# Altium PCB Slave.PcbDoc (part 3 of 12)
Units mm, origin at the board's own origin, x right, y up, seen from the top; angles counter-clockwise.
Board outline 380 x 63 mm, 4 copper layers (Top Copper, Signal Layer 1, Signal Layer 2, Bottom Copper), stack 1.586 mm thick; 265 components, 193 nets, 745 pads, 28205 vias.
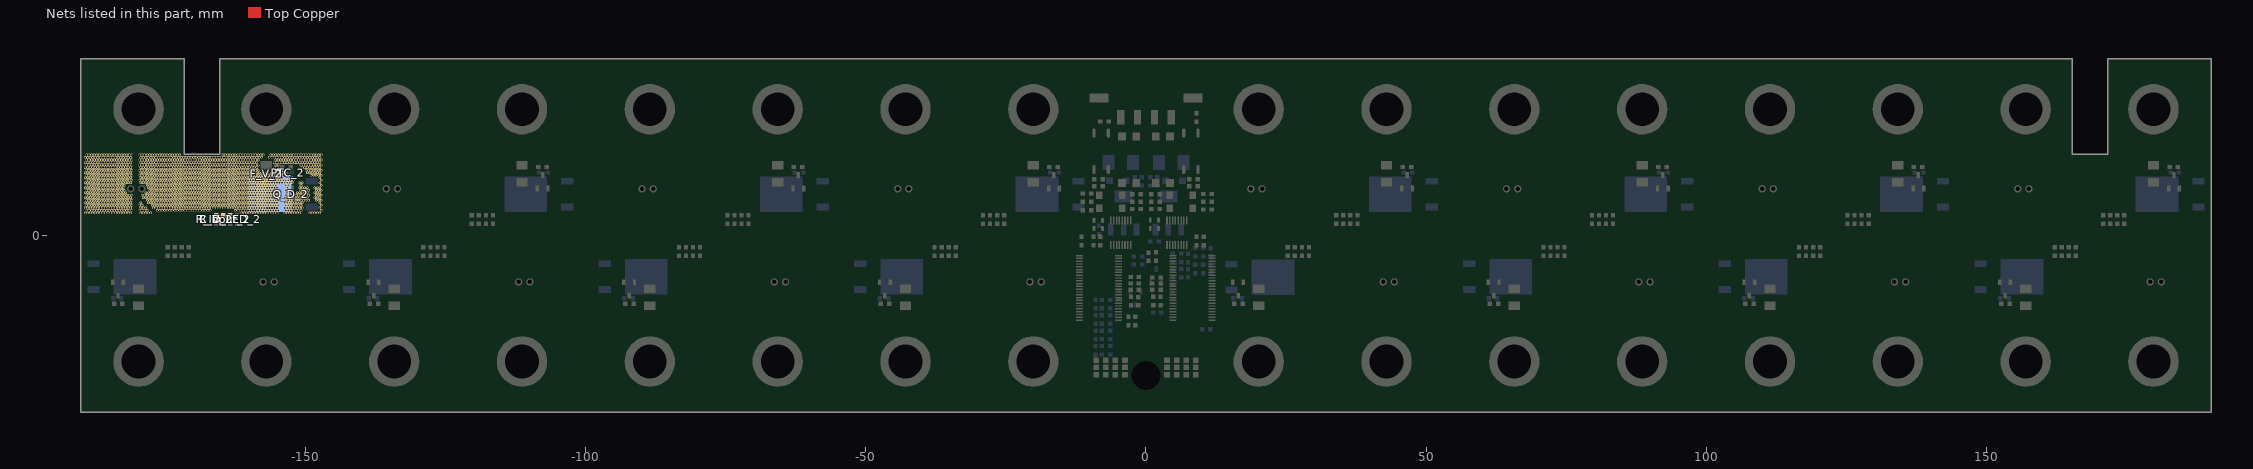
[diagram p5: the nets of this part, all layers, seen from the top]

## Via types
v1: diameter 0.45, hole 0.297, Top Copper to Bottom Copper, tented both sides, 27372 vias
v2: diameter 1, hole 0.7, Top Copper to Bottom Copper, 576 vias
v3: diameter 0.45, hole 0.2, Top Copper to Bottom Copper, 257 vias

## Nets (pads, with @x,y where several pads share a name; then routed paths per layer and width w, separated by ;. In a path a pad name is that pad's centre, name@x,y a point inside that pad or via, vN(x,y) a via of type N, cw(c..) or ccw(c..) an arc to the next point about the centre after c; other vN are vias at no path point) (continued)
F_2: C_V_2.2 F_V_2.2 PTC_2.2 Q_D_2.2 R_D_LED_2.2 R_Input_2.1 | length 3.9
  Top Copper w0.254: C_V_2.2@-165.85,3.6 R_Input_2.1@-164.6,3.6 R_D_LED_2.2@-163.35,3.6
  Top Copper w0.305: v1@-156.875,8.1 F_V_2.2@-156.875,9.48
  other v1: -189.2,4 -188.75,4 -188.3,4 -187.85,4 -187.4,4 -186.95,4 -186.5,4 -186.05,4 -185.6,4 -185.15,4 -184.7,4 -184.25,4 -183.8,4 -183.35,4 -182.9,4 -182.45,4 -182,4 -181.55,4 -181.1,4 -179.3,4 -178.85,4 -178.4,4 -177.95,4 -177.5,4 -161.3,4 -160.85,4 -160.4,4 -159.95,4 -159.5,4 -159.05,4 -158.6,4 -158.15,4 -157.7,4 -157.25,4 -156.8,4 -156.35,4 -155.9,4 -155.45,4 -155,4 -153.65,4 -153.2,4 -152.75,4 -152.3,4 -151.85,4 -151.4,4 -150.95,4 -149.15,4 -148.7,4 -148.25,4 -147.8,4 -147.35,4 -188.975,4.45 -188.525,4.45 -188.075,4.45 -187.625,4.45 -187.175,4.45 -186.725,4.45 -186.275,4.45 -185.825,4.45 -185.375,4.45 -184.925,4.45 -184.475,4.45 -184.025,4.45 -183.575,4.45 -183.125,4.45 -182.675,4.45 -182.225,4.45 -181.775,4.45 -181.325,4.45 -180.875,4.45 -179.525,4.45 -179.075,4.45 -178.625,4.45 -178.175,4.45 -176.375,4.45 -175.925,4.45 -175.475,4.45 -175.025,4.45 -174.575,4.45 -174.125,4.45 -173.675,4.45 -173.225,4.45 -172.775,4.45 -172.325,4.45 -171.875,4.45 -171.425,4.45 -170.975,4.45 -170.525,4.45 -170.075,4.45 -169.625,4.45 -169.175,4.45 -168.725,4.45 -168.275,4.45 -167.825,4.45 -167.375,4.45 -166.925,4.45 -162.425,4.45 -161.975,4.45 -161.525,4.45 -161.075,4.45 -160.625,4.45 -160.175,4.45 -159.725,4.45 -159.275,4.45 -158.825,4.45 -158.375,4.45 -157.925,4.45 -157.475,4.45 -157.025,4.45 -156.575,4.45 -156.125,4.45 -155.675,4.45 -155.225,4.45 -154.775,4.45 -153.425,4.45 -152.975,4.45 -152.525,4.45 -152.075,4.45 -151.625,4.45 -151.175,4.45 -150.725,4.45 -147.125,4.45 -189.2,4.9 -188.75,4.9 -188.3,4.9 -187.85,4.9 -187.4,4.9 -186.95,4.9 -186.5,4.9 -186.05,4.9 -185.6,4.9 -185.15,4.9 -184.7,4.9 -184.25,4.9 -183.8,4.9 -183.35,4.9 -182.9,4.9 -182.45,4.9 -182,4.9 -181.55,4.9 -181.1,4.9 -179.3,4.9 -178.85,4.9 -178.4,4.9 -177.05,4.9 -176.6,4.9 -176.15,4.9 -175.7,4.9 -175.25,4.9 -174.8,4.9 -174.35,4.9 -173.9,4.9 -173.45,4.9 -173,4.9 -172.55,4.9 -172.1,4.9 -171.65,4.9 -171.2,4.9 -170.75,4.9 -170.3,4.9 -169.85,4.9 -169.4,4.9 -168.95,4.9 -168.5,4.9 -168.05,4.9 -167.6,4.9 -167.15,4.9 -166.7,4.9 -166.25,4.9 -165.8,4.9 -165.35,4.9 -164.9,4.9 -164.45,4.9 -164,4.9 -163.55,4.9 -163.1,4.9 -162.65,4.9 -162.2,4.9 -161.75,4.9 -161.3,4.9 -160.85,4.9 -160.4,4.9 -159.95,4.9 -159.5,4.9 -159.05,4.9 -158.6,4.9 -158.15,4.9 -157.7,4.9 -157.25,4.9 -156.8,4.9 -156.35,4.9 -155.9,4.9 -155.45,4.9 -155,4.9 -153.65,4.9 -153.2,4.9 -152.75,4.9 -152.3,4.9 -151.85,4.9 -151.4,4.9 -150.95,4.9 -150.5,4.9 -147.35,4.9 -188.975,5.35 -188.525,5.35 -188.075,5.35 -187.625,5.35 -187.175,5.35 -186.725,5.35 -186.275,5.35 -185.825,5.35 -185.375,5.35 -184.925,5.35 -184.475,5.35 -184.025,5.35 -183.575,5.35 -183.125,5.35 -182.675,5.35 -182.225,5.35 -181.775,5.35 -181.325,5.35 -180.875,5.35 -179.525,5.35 -179.075,5.35 -177.275,5.35 -176.825,5.35 -176.375,5.35 -175.925,5.35 -175.475,5.35 -175.025,5.35 -174.575,5.35 -174.125,5.35 -173.675,5.35 -173.225,5.35 -172.775,5.35 -172.325,5.35 -171.875,5.35 -171.425,5.35 -170.975,5.35 -170.525,5.35 -170.075,5.35 -169.625,5.35 -169.175,5.35 -168.725,5.35 -168.275,5.35 -167.825,5.35 -167.375,5.35 -166.925,5.35 -166.475,5.35 -166.025,5.35 -165.575,5.35 -165.125,5.35 -164.675,5.35 -164.225,5.35 -163.775,5.35 -163.325,5.35 -162.875,5.35 -162.425,5.35 -161.975,5.35 -161.525,5.35 -161.075,5.35 -160.625,5.35 -160.175,5.35 -159.725,5.35 -159.275,5.35 -158.825,5.35 -158.375,5.35 -157.925,5.35 -157.475,5.35 -157.025,5.35 -156.575,5.35 -156.125,5.35 -155.675,5.35 -155.225,5.35 -154.775,5.35 -153.425,5.35 -152.975,5.35 -152.525,5.35 -152.075,5.35 -151.625,5.35 -151.175,5.35 -150.725,5.35 -147.125,5.35 -189.2,5.8 -188.75,5.8 -188.3,5.8 -187.85,5.8 -187.4,5.8 -186.95,5.8 -186.5,5.8 -186.05,5.8 -185.6,5.8 -185.15,5.8 -184.7,5.8 -184.25,5.8 -183.8,5.8 -183.35,5.8 -182.9,5.8 -182.45,5.8 -182,5.8 -181.55,5.8 -181.1,5.8 -179.3,5.8 -177.95,5.8 -177.5,5.8 -177.05,5.8 -176.6,5.8 -176.15,5.8 -175.7,5.8 -175.25,5.8 -174.8,5.8 -174.35,5.8 -173.9,5.8 -173.45,5.8 -173,5.8 -172.55,5.8 -172.1,5.8 -171.65,5.8 -171.2,5.8 -170.75,5.8 -170.3,5.8 -169.85,5.8 -169.4,5.8 -168.95,5.8 -168.5,5.8 -168.05,5.8 -167.6,5.8 -167.15,5.8 -166.7,5.8 -166.25,5.8 -165.8,5.8 -165.35,5.8 -164.9,5.8 -164.45,5.8 -164,5.8 -163.55,5.8 -163.1,5.8 -162.65,5.8 -162.2,5.8 -161.75,5.8 -161.3,5.8 -160.85,5.8 -160.4,5.8 -159.95,5.8 -159.5,5.8 -159.05,5.8 -158.6,5.8 -158.15,5.8 -157.7,5.8 -157.25,5.8 -156.8,5.8 -156.35,5.8 -155.9,5.8 -155.45,5.8 -155,5.8 -153.65,5.8 -153.2,5.8 -152.75,5.8 -152.3,5.8 -151.85,5.8 -151.4,5.8 -150.95,5.8 -150.5,5.8 -147.35,5.8 -188.975,6.25 -188.525,6.25 -188.075,6.25 -187.625,6.25 -187.175,6.25 -186.725,6.25 -186.275,6.25 -185.825,6.25 -185.375,6.25 -184.925,6.25 -184.475,6.25 -184.025,6.25 -183.575,6.25 -183.125,6.25 -182.675,6.25 -182.225,6.25 -181.775,6.25 -181.325,6.25 -180.875,6.25 -178.175,6.25 -177.725,6.25 -177.275,6.25 -176.825,6.25 -176.375,6.25 -175.925,6.25 -175.475,6.25 -175.025,6.25 -174.575,6.25 -174.125,6.25 -173.675,6.25 -173.225,6.25 -172.775,6.25 -172.325,6.25 -171.875,6.25 -171.425,6.25 -170.975,6.25 -170.525,6.25 -170.075,6.25 -169.625,6.25 -169.175,6.25 -168.725,6.25 -168.275,6.25 -167.825,6.25 -167.375,6.25 -166.925,6.25 -166.475,6.25 -166.025,6.25 -165.575,6.25 -165.125,6.25 -164.675,6.25 -164.225,6.25 -163.775,6.25 -163.325,6.25 -162.875,6.25 -162.425,6.25 -161.975,6.25 -161.525,6.25 -161.075,6.25 -160.625,6.25 -160.175,6.25 -159.725,6.25 -159.275,6.25 -158.825,6.25 -158.375,6.25 -157.925,6.25 -157.475,6.25 -157.025,6.25 -156.575,6.25 -156.125,6.25 -155.675,6.25 -155.225,6.25 -154.775,6.25 -153.425,6.25 -152.975,6.25 -152.525,6.25 -152.075,6.25 -151.625,6.25 -151.175,6.25 -150.725,6.25 -150.275,6.25 -149.825,6.25 -149.375,6.25 -148.025,6.25 -147.575,6.25 -147.125,6.25 -189.2,6.7 -188.75,6.7 -188.3,6.7 -187.85,6.7 -187.4,6.7 -186.95,6.7 -186.5,6.7 -186.05,6.7 -185.6,6.7 -185.15,6.7 -184.7,6.7 -184.25,6.7 -183.8,6.7 -183.35,6.7 -182.9,6.7 -182.45,6.7 -182,6.7 -181.55,6.7 -181.1,6.7 -178.85,6.7 -178.4,6.7 -177.95,6.7 -177.5,6.7 -177.05,6.7 -176.6,6.7 -176.15,6.7 -175.7,6.7 -175.25,6.7 -174.8,6.7 -174.35,6.7 -173.9,6.7 -173.45,6.7 -173,6.7 -172.55,6.7 -172.1,6.7 -171.65,6.7 -171.2,6.7 -170.75,6.7 -170.3,6.7 -169.85,6.7 -169.4,6.7 -168.95,6.7 -168.5,6.7 -168.05,6.7 -167.6,6.7 -167.15,6.7 -166.7,6.7 -166.25,6.7 -165.8,6.7 -165.35,6.7 -164.9,6.7 -164.45,6.7 -164,6.7 -163.55,6.7 -163.1,6.7 -162.65,6.7 -162.2,6.7 -161.75,6.7 -161.3,6.7 -160.85,6.7 -160.4,6.7 -159.95,6.7 -159.5,6.7 -159.05,6.7 -158.6,6.7 -158.15,6.7 -157.7,6.7 -157.25,6.7 -156.8,6.7 -156.35,6.7 -155.9,6.7 -155.45,6.7 -155,6.7 -153.65,6.7 -153.2,6.7 -152.75,6.7 -152.3,6.7 -151.85,6.7 -151.4,6.7 -150.95,6.7 -150.5,6.7 -150.05,6.7 -149.6,6.7 -148.25,6.7 -147.8,6.7 -147.35,6.7 -188.975,7.15 -188.525,7.15 -188.075,7.15 -187.625,7.15 -187.175,7.15 -186.725,7.15 -186.275,7.15 -185.825,7.15 -185.375,7.15 -184.925,7.15 -184.475,7.15 -184.025,7.15 -183.575,7.15 -183.125,7.15 -182.675,7.15 -182.225,7.15 -181.775,7.15 -181.325,7.15 -180.875,7.15 -179.075,7.15 -178.625,7.15 -178.175,7.15 -177.725,7.15 -177.275,7.15 -176.825,7.15 -176.375,7.15 -175.925,7.15 -175.475,7.15 -175.025,7.15 -174.575,7.15 -174.125,7.15 -173.675,7.15 -173.225,7.15 -172.775,7.15 -172.325,7.15 -171.875,7.15 -171.425,7.15 -170.975,7.15 -170.525,7.15 -170.075,7.15 -169.625,7.15 -169.175,7.15 -168.725,7.15 -168.275,7.15 -167.825,7.15 -167.375,7.15 -166.925,7.15 -166.475,7.15 -166.025,7.15 -165.575,7.15 -165.125,7.15 -164.675,7.15 -164.225,7.15 -163.775,7.15 -163.325,7.15 -162.875,7.15 -162.425,7.15 -161.975,7.15 -161.525,7.15 -161.075,7.15 -160.625,7.15 -160.175,7.15 -159.725,7.15 -159.275,7.15 -158.825,7.15 -158.375,7.15 -157.925,7.15 -157.475,7.15 -157.025,7.15 -156.575,7.15 -156.125,7.15 -155.675,7.15 -155.225,7.15 -154.775,7.15 -153.425,7.15 -152.975,7.15 -152.525,7.15 -152.075,7.15 -151.625,7.15 -151.175,7.15 -150.725,7.15 -150.275,7.15 -149.825,7.15 -149.375,7.15 -148.025,7.15 -147.575,7.15 -147.125,7.15 -189.2,7.6 -188.75,7.6 -188.3,7.6 -187.85,7.6 -187.4,7.6 -186.95,7.6 -186.5,7.6 -186.05,7.6 -185.6,7.6 -185.15,7.6 -184.7,7.6 -184.25,7.6 -183.8,7.6 -183.35,7.6 -182.9,7.6 -182.45,7.6 -182,7.6 -178.4,7.6 -177.95,7.6 -177.5,7.6 -177.05,7.6 -176.6,7.6 -176.15,7.6 -175.7,7.6 -175.25,7.6 -174.8,7.6 -174.35,7.6 -173.9,7.6 -173.45,7.6 -173,7.6 -172.55,7.6 -172.1,7.6 -171.65,7.6 -171.2,7.6 -170.75,7.6 -170.3,7.6 -169.85,7.6 -169.4,7.6 -168.95,7.6 -168.5,7.6 -168.05,7.6 -167.6,7.6 -167.15,7.6 -166.7,7.6 -166.25,7.6 -165.8,7.6 -165.35,7.6 -164.9,7.6 -164.45,7.6 -164,7.6 -163.55,7.6 -163.1,7.6 -162.65,7.6 -162.2,7.6 -161.75,7.6 -161.3,7.6 -160.85,7.6 -160.4,7.6 -159.95,7.6 -159.5,7.6 -159.05,7.6 -158.6,7.6 -158.15,7.6 -157.7,7.6 -157.25,7.6 -156.8,7.6 -156.35,7.6 -155.9,7.6 -155.45,7.6 -155,7.6 -153.2,7.6 -151.4,7.6 -150.95,7.6 -150.5,7.6 -150.05,7.6 -149.6,7.6 -148.25,7.6 -147.8,7.6 -147.35,7.6 -188.975,8.05 -188.525,8.05 -188.075,8.05 -187.625,8.05 -187.175,8.05 -186.725,8.05 -186.275,8.05 -185.825,8.05 -185.375,8.05 -184.925,8.05 -184.475,8.05 -184.025,8.05 -183.575,8.05 -183.125,8.05 -182.675,8.05 -182.225,8.05 -177.725,8.05 -177.275,8.05 -176.825,8.05 -176.375,8.05 -175.925,8.05 -175.475,8.05 -175.025,8.05 -174.575,8.05 -174.125,8.05 -173.675,8.05 -173.225,8.05 -172.775,8.05 -172.325,8.05 -171.875,8.05 -171.425,8.05 -170.975,8.05 -170.525,8.05 -170.075,8.05 -169.625,8.05 -169.175,8.05 -168.725,8.05 -168.275,8.05 -167.825,8.05 -167.375,8.05 -166.925,8.05 -166.475,8.05 -166.025,8.05 -165.575,8.05 -165.125,8.05 -164.675,8.05 -164.225,8.05 -163.775,8.05 -163.325,8.05 -162.875,8.05 -162.425,8.05 -161.975,8.05 -161.525,8.05 -161.075,8.05 -160.625,8.05 -160.175,8.05 -159.725,8.05 -159.275,8.05 -158.825,8.05 -158.375,8.05 -157.925,8.05 -157.475,8.05 -157.025,8.05 -156.575,8.05 -156.125,8.05 -155.675,8.05 -155.225,8.05 -153.425,8.05 -152.975,8.05 -150.725,8.05 -150.275,8.05 -149.825,8.05 -149.375,8.05 -148.025,8.05 -147.575,8.05 -147.125,8.05 -189.2,8.5 -188.75,8.5 -188.3,8.5 -187.85,8.5 -187.4,8.5 -186.95,8.5 -186.5,8.5 -186.05,8.5 -185.6,8.5 -185.15,8.5 -184.7,8.5 -184.25,8.5 -183.8,8.5 -183.35,8.5 -182.9,8.5 -182.45,8.5 -177.95,8.5 -177.5,8.5 -177.05,8.5 -176.6,8.5 -176.15,8.5 -175.7,8.5 -175.25,8.5 -174.8,8.5 -174.35,8.5 -173.9,8.5 -173.45,8.5 -173,8.5 -172.55,8.5 -172.1,8.5 -171.65,8.5 -171.2,8.5 -170.75,8.5 -170.3,8.5 -169.85,8.5 -169.4,8.5 -168.95,8.5 -168.5,8.5 -168.05,8.5 -167.6,8.5 -167.15,8.5 -166.7,8.5 -166.25,8.5 -165.8,8.5 -165.35,8.5 -164.9,8.5 -164.45,8.5 -164,8.5 -163.55,8.5 -163.1,8.5 -162.65,8.5 -162.2,8.5 -161.75,8.5 -161.3,8.5 -160.85,8.5 -160.4,8.5 -159.95,8.5 -159.5,8.5 -159.05,8.5 -158.6,8.5 -158.15,8.5 -157.7,8.5 -157.25,8.5 -156.8,8.5 -156.35,8.5 -155.9,8.5 -155.45,8.5 -155,8.5 -153.2,8.5 -150.95,8.5 -150.5,8.5 -150.05,8.5 -149.6,8.5 -148.25,8.5 -147.8,8.5 -147.35,8.5 -188.975,8.95 -188.525,8.95 -188.075,8.95 -187.625,8.95 -187.175,8.95 -186.725,8.95 -186.275,8.95 -185.825,8.95 -185.375,8.95 -184.925,8.95 -184.475,8.95 -184.025,8.95 -183.575,8.95 -183.125,8.95 -182.675,8.95 -182.225,8.95 -178.175,8.95 -177.725,8.95 -177.275,8.95 -176.825,8.95 -176.375,8.95 -175.925,8.95 -175.475,8.95 -175.025,8.95 -174.575,8.95 -174.125,8.95 -173.675,8.95 -173.225,8.95 -172.775,8.95 -172.325,8.95 -171.875,8.95 -171.425,8.95 -170.975,8.95 -170.525,8.95 -170.075,8.95 -169.625,8.95 -169.175,8.95 -168.725,8.95 -168.275,8.95 -167.825,8.95 -167.375,8.95 -166.925,8.95 -166.475,8.95 -166.025,8.95 -165.575,8.95 -165.125,8.95 -164.675,8.95 -164.225,8.95 -163.775,8.95 -163.325,8.95 -162.875,8.95 -162.425,8.95 -161.975,8.95 -161.525,8.95 -161.075,8.95 -160.625,8.95 -160.175,8.95 -159.725,8.95 -159.275,8.95 -158.825,8.95 -158.375,8.95 -157.925,8.95 -157.475,8.95 -157.025,8.95 -156.575,8.95 -156.125,8.95 -155.675,8.95 -155.225,8.95 -153.425,8.95 -152.975,8.95 -150.725,8.95 -147.125,8.95 -189.2,9.4 -188.75,9.4 -188.3,9.4 -187.85,9.4 -187.4,9.4 -186.95,9.4 -186.5,9.4 -186.05,9.4 -185.6,9.4 -185.15,9.4 -184.7,9.4 -184.25,9.4 -183.8,9.4 -183.35,9.4 -182.9,9.4 -182.45,9.4 -182,9.4 -181.55,9.4 -181.1,9.4 -179.3,9.4 -178.85,9.4 -178.4,9.4 -177.95,9.4 -177.5,9.4 -177.05,9.4 -176.6,9.4 -176.15,9.4 -175.7,9.4 -175.25,9.4 -174.8,9.4 -174.35,9.4 -173.9,9.4 -173.45,9.4 -173,9.4 -172.55,9.4 -172.1,9.4 -171.65,9.4 -171.2,9.4 -170.75,9.4 -170.3,9.4 -169.85,9.4 -169.4,9.4 -168.95,9.4 -168.5,9.4 -168.05,9.4 -167.6,9.4 -167.15,9.4 -166.7,9.4 -166.25,9.4 -165.8,9.4 -165.35,9.4 -164.9,9.4 -164.45,9.4 -164,9.4 -163.55,9.4 -163.1,9.4 -162.65,9.4 -162.2,9.4 -161.75,9.4 -161.3,9.4 -160.85,9.4 -160.4,9.4 -159.95,9.4 -159.5,9.4 -159.05,9.4 -158.6,9.4 -158.15,9.4 -157.7,9.4 -157.25,9.4 -156.8,9.4 -156.35,9.4 -155.9,9.4 -155.45,9.4 -155,9.4 -154.55,9.4 -154.1,9.4 -153.65,9.4 -153.2,9.4 -152.75,9.4 -152.3,9.4 -150.95,9.4 -150.5,9.4 -147.35,9.4 -188.975,9.85 -188.525,9.85 -188.075,9.85 -187.625,9.85 -187.175,9.85 -186.725,9.85 -186.275,9.85 -185.825,9.85 -185.375,9.85 -184.925,9.85 -184.475,9.85 -184.025,9.85 -183.575,9.85 -183.125,9.85 -182.675,9.85 -182.225,9.85 -181.775,9.85 -181.325,9.85 -180.875,9.85 -179.525,9.85 -179.075,9.85 -178.625,9.85 -178.175,9.85 -177.725,9.85 -177.275,9.85 -176.825,9.85 -176.375,9.85 -175.925,9.85 -175.475,9.85 -175.025,9.85 -174.575,9.85 -174.125,9.85 -173.675,9.85 -173.225,9.85 -172.775,9.85 -172.325,9.85 -171.875,9.85 -171.425,9.85 -170.975,9.85 -170.525,9.85 -170.075,9.85 -169.625,9.85 -169.175,9.85 -168.725,9.85 -168.275,9.85 -167.825,9.85 -167.375,9.85 -166.925,9.85 -166.475,9.85 -166.025,9.85 -165.575,9.85 -165.125,9.85 -164.675,9.85 -164.225,9.85 -163.775,9.85 -163.325,9.85 -162.875,9.85 -162.425,9.85 -161.975,9.85 -161.525,9.85 -161.075,9.85 -160.625,9.85 -160.175,9.85 -159.725,9.85 -159.275,9.85 -158.825,9.85 -158.375,9.85 -157.925,9.85 -157.475,9.85 -157.025,9.85 -156.575,9.85 -156.125,9.85 -155.675,9.85 -155.225,9.85 -154.775,9.85 -154.325,9.85 -153.875,9.85 -153.425,9.85 -152.975,9.85 -152.525,9.85 -152.075,9.85 -147.125,9.85 -189.2,10.3 -188.75,10.3 -188.3,10.3 -187.85,10.3 -187.4,10.3 -186.95,10.3 -186.5,10.3 -186.05,10.3 -185.6,10.3 -185.15,10.3 -184.7,10.3 -184.25,10.3 -183.8,10.3 -183.35,10.3 -182.9,10.3 -182.45,10.3 -182,10.3 -181.55,10.3 -181.1,10.3 -179.3,10.3 -178.85,10.3 -178.4,10.3 -177.95,10.3 -177.5,10.3 -177.05,10.3 -176.6,10.3 -176.15,10.3 -175.7,10.3 -175.25,10.3 -174.8,10.3 -174.35,10.3 -173.9,10.3 -173.45,10.3 -173,10.3 -172.55,10.3 -172.1,10.3 -171.65,10.3 -171.2,10.3 -170.75,10.3 -170.3,10.3 -169.85,10.3 -169.4,10.3 -168.95,10.3 -168.5,10.3 -168.05,10.3 -167.6,10.3 -167.15,10.3 -166.7,10.3 -166.25,10.3 -165.8,10.3 -165.35,10.3 -164.9,10.3 -164.45,10.3 -164,10.3 -163.55,10.3 -163.1,10.3 -162.65,10.3 -162.2,10.3 -161.75,10.3 -161.3,10.3 -160.85,10.3 -160.4,10.3 -159.95,10.3 -159.5,10.3 -159.05,10.3 -158.6,10.3 -158.15,10.3 -157.7,10.3 -157.25,10.3 -156.8,10.3 -156.35,10.3 -155.9,10.3 -155.45,10.3 -155,10.3 -154.55,10.3 -154.1,10.3 -152.3,10.3 -147.35,10.3 -188.975,10.75 -188.525,10.75 -188.075,10.75 -187.625,10.75 -187.175,10.75 -186.725,10.75 -186.275,10.75 -185.825,10.75 -185.375,10.75 -184.925,10.75 -184.475,10.75 -184.025,10.75 -183.575,10.75 -183.125,10.75 -182.675,10.75 -182.225,10.75 -181.775,10.75 -181.325,10.75 -180.875,10.75 -179.525,10.75 -179.075,10.75 -178.625,10.75 -178.175,10.75 -177.725,10.75 -177.275,10.75 -176.825,10.75 -176.375,10.75 -175.925,10.75 -175.475,10.75 -175.025,10.75 -174.575,10.75 -174.125,10.75 -173.675,10.75 -173.225,10.75 -172.775,10.75 -172.325,10.75 -171.875,10.75 -171.425,10.75 -170.975,10.75 -170.525,10.75 -170.075,10.75 -169.625,10.75 -169.175,10.75 -168.725,10.75 -168.275,10.75 -167.825,10.75 -167.375,10.75 -166.925,10.75 -166.475,10.75 -166.025,10.75 -165.575,10.75 -165.125,10.75 -164.675,10.75 -164.225,10.75 -163.775,10.75 -163.325,10.75 -162.875,10.75 -162.425,10.75 -161.975,10.75 -161.525,10.75 -161.075,10.75 -160.625,10.75 -160.175,10.75 -159.725,10.75 -159.275,10.75 -158.825,10.75 -158.375,10.75 -157.925,10.75 -157.475,10.75 -157.025,10.75 -156.575,10.75 -156.125,10.75 -155.675,10.75 -155.225,10.75 -154.775,10.75 -154.325,10.75 -153.875,10.75 -148.925,10.75 -148.475,10.75 -148.025,10.75 -147.575,10.75 -147.125,10.75 -189.2,11.2 -188.75,11.2 -188.3,11.2 -187.85,11.2 -187.4,11.2 -186.95,11.2 -186.5,11.2 -186.05,11.2 -185.6,11.2 -185.15,11.2 -184.7,11.2 -184.25,11.2 -183.8,11.2 -183.35,11.2 -182.9,11.2 -182.45,11.2 -182,11.2 -181.55,11.2 -181.1,11.2 -179.3,11.2 -178.85,11.2 -178.4,11.2 -177.95,11.2 -177.5,11.2 -177.05,11.2 -176.6,11.2 -176.15,11.2 -175.7,11.2 -175.25,11.2 -174.8,11.2 -174.35,11.2 -173.9,11.2 -173.45,11.2 -173,11.2 -172.55,11.2 -172.1,11.2 -171.65,11.2 -171.2,11.2 -170.75,11.2 -170.3,11.2 -169.85,11.2 -169.4,11.2 -168.95,11.2 -168.5,11.2 -168.05,11.2 -167.6,11.2 -167.15,11.2 -166.7,11.2 -166.25,11.2 -165.8,11.2 -165.35,11.2 -164.9,11.2 -164.45,11.2 -164,11.2 -163.55,11.2 -163.1,11.2 -162.65,11.2 -162.2,11.2 -161.75,11.2 -161.3,11.2 -160.85,11.2 -160.4,11.2 -159.95,11.2 -159.5,11.2 -159.05,11.2 -158.6,11.2 -158.15,11.2 -157.7,11.2 -157.25,11.2 -156.8,11.2 -156.35,11.2 -155.9,11.2 -155.45,11.2 -155,11.2 -154.55,11.2 -154.1,11.2 -149.6,11.2 -149.15,11.2 -148.7,11.2 -148.25,11.2 -147.8,11.2 -147.35,11.2 -188.975,11.65 -188.525,11.65 -188.075,11.65 -187.625,11.65 -187.175,11.65 -186.725,11.65 -186.275,11.65 -185.825,11.65 -185.375,11.65 -184.925,11.65 -184.475,11.65 -184.025,11.65 -183.575,11.65 -183.125,11.65 -182.675,11.65 -182.225,11.65 -181.775,11.65 -181.325,11.65 -180.875,11.65 -179.525,11.65 -179.075,11.65 -178.625,11.65 -178.175,11.65 -177.725,11.65 -177.275,11.65 -176.825,11.65 -176.375,11.65 -175.925,11.65 -175.475,11.65 -175.025,11.65 -174.575,11.65 -174.125,11.65 -173.675,11.65 -173.225,11.65 -172.775,11.65 -172.325,11.65 -171.875,11.65 -171.425,11.65 -170.975,11.65 -170.525,11.65 -170.075,11.65 -169.625,11.65 -169.175,11.65 -168.725,11.65 -168.275,11.65 -167.825,11.65 -167.375,11.65 -166.925,11.65 -166.475,11.65 -166.025,11.65 -165.575,11.65 -165.125,11.65 -164.675,11.65 -164.225,11.65 -163.775,11.65 -163.325,11.65 -162.875,11.65 -162.425,11.65 -161.975,11.65 -161.525,11.65 -161.075,11.65 -160.625,11.65 -160.175,11.65 -159.725,11.65 -159.275,11.65 -158.825,11.65 -158.375,11.65 -155.225,11.65 -154.775,11.65 -149.825,11.65 -149.375,11.65 -148.925,11.65 -148.475,11.65 -148.025,11.65 -147.575,11.65 -147.125,11.65 -189.2,12.1 -188.75,12.1 -188.3,12.1 -187.85,12.1 -187.4,12.1 -186.95,12.1 -186.5,12.1 -186.05,12.1 -185.6,12.1 -185.15,12.1 -184.7,12.1 -184.25,12.1 -183.8,12.1 -183.35,12.1 -182.9,12.1 -182.45,12.1 -182,12.1 -181.55,12.1 -181.1,12.1 -179.3,12.1 -178.85,12.1 -178.4,12.1 -177.95,12.1 -177.5,12.1 -177.05,12.1 -176.6,12.1 -176.15,12.1 -175.7,12.1 -175.25,12.1 -174.8,12.1 -174.35,12.1 -173.9,12.1 -173.45,12.1 -173,12.1 -172.55,12.1 -172.1,12.1 -171.65,12.1 -171.2,12.1 -170.75,12.1 -170.3,12.1 -169.85,12.1 -169.4,12.1 -168.95,12.1 -168.5,12.1 -168.05,12.1 -167.6,12.1 -167.15,12.1 -166.7,12.1 -166.25,12.1 -165.8,12.1 -165.35,12.1 -164.9,12.1 -164.45,12.1 -164,12.1 -163.55,12.1 -163.1,12.1 -162.65,12.1 -162.2,12.1 -161.75,12.1 -161.3,12.1 -160.85,12.1 -160.4,12.1 -159.95,12.1 -159.5,12.1 -159.05,12.1 -158.6,12.1 -155.45,12.1 -155,12.1 -150.5,12.1 -150.05,12.1 -149.6,12.1 -149.15,12.1 -148.7,12.1 -148.25,12.1 -147.8,12.1 -147.35,12.1 -188.975,12.55 -188.525,12.55 -188.075,12.55 -187.625,12.55 -187.175,12.55 -186.725,12.55 -186.275,12.55 -185.825,12.55 -185.375,12.55 -184.925,12.55 -184.475,12.55 -184.025,12.55 -183.575,12.55 -183.125,12.55 -182.675,12.55 -182.225,12.55 -181.775,12.55 -181.325,12.55 -180.875,12.55 -179.525,12.55 -179.075,12.55 -178.625,12.55 -178.175,12.55 -177.725,12.55 -177.275,12.55 -176.825,12.55 -176.375,12.55 -175.925,12.55 -175.475,12.55 -175.025,12.55 -174.575,12.55 -174.125,12.55 -173.675,12.55 -173.225,12.55 -172.775,12.55 -172.325,12.55 -171.875,12.55 -171.425,12.55 -170.975,12.55 -170.525,12.55 -170.075,12.55 -169.625,12.55 -169.175,12.55 -168.725,12.55 -168.275,12.55 -167.825,12.55 -167.375,12.55 -166.925,12.55 -166.475,12.55 -166.025,12.55 -165.575,12.55 -165.125,12.55 -164.675,12.55 -164.225,12.55 -163.775,12.55 -163.325,12.55 -162.875,12.55 -162.425,12.55 -161.975,12.55 -161.525,12.55 -161.075,12.55 -160.625,12.55 -160.175,12.55 -159.725,12.55 -159.275,12.55 -158.825,12.55 -158.375,12.55 -155.225,12.55 -154.775,12.55 -150.725,12.55 -150.275,12.55 -149.825,12.55 -149.375,12.55 -148.925,12.55 -148.475,12.55 -148.025,12.55 -147.575,12.55 -147.125,12.55 -189.2,13 -188.75,13 -188.3,13 -187.85,13 -187.4,13 -186.95,13 -186.5,13 -186.05,13 -185.6,13 -185.15,13 -184.7,13 -184.25,13 -183.8,13 -183.35,13 -182.9,13 -182.45,13 -182,13 -181.55,13 -181.1,13 -179.3,13 -178.85,13 -178.4,13 -177.95,13 -177.5,13 -177.05,13 -176.6,13 -176.15,13 -175.7,13 -175.25,13 -174.8,13 -174.35,13 -173.9,13 -173.45,13 -173,13 -172.55,13 -172.1,13 -171.65,13 -171.2,13 -170.75,13 -170.3,13 -169.85,13 -169.4,13 -168.95,13 -168.5,13 -168.05,13 -167.6,13 -167.15,13 -166.7,13 -166.25,13 -165.8,13 -165.35,13 -164.9,13 -164.45,13 -164,13 -163.55,13 -163.1,13 -162.65,13 -162.2,13 -161.75,13 -161.3,13 -160.85,13 -160.4,13 -159.95,13 -159.5,13 -159.05,13 -158.6,13 -155.45,13 -155,13 -154.55,13 -154.1,13 -153.65,13 -153.2,13 -152.75,13 -152.3,13 -151.85,13 -151.4,13 -150.95,13 -150.5,13 -150.05,13 -149.6,13 -149.15,13 -148.7,13 -148.25,13 -147.8,13 -147.35,13 -188.975,13.45 -188.525,13.45 -188.075,13.45 -187.625,13.45 -187.175,13.45 -186.725,13.45 -186.275,13.45 -185.825,13.45 -185.375,13.45 -184.925,13.45 -184.475,13.45 -184.025,13.45 -183.575,13.45 -183.125,13.45 -182.675,13.45 -182.225,13.45 -181.775,13.45 -181.325,13.45 -180.875,13.45 -179.525,13.45 -179.075,13.45 -178.625,13.45 -178.175,13.45 -177.725,13.45 -177.275,13.45 -176.825,13.45 -176.375,13.45 -175.925,13.45 -175.475,13.45 -175.025,13.45 -174.575,13.45 -174.125,13.45 -173.675,13.45 -173.225,13.45 -172.775,13.45 -172.325,13.45 -171.875,13.45 -171.425,13.45 -170.975,13.45 -170.525,13.45 -170.075,13.45 -169.625,13.45 -169.175,13.45 -168.725,13.45 -168.275,13.45 -167.825,13.45 -167.375,13.45 -166.925,13.45 -166.475,13.45 -166.025,13.45 -165.575,13.45 -165.125,13.45 -164.675,13.45 -164.225,13.45 -163.775,13.45 -163.325,13.45 -162.875,13.45 -162.425,13.45 -161.975,13.45 -161.525,13.45 -161.075,13.45 -160.625,13.45 -160.175,13.45 -159.725,13.45 -159.275,13.45 -158.825,13.45 -158.375,13.45 -155.225,13.45 -154.775,13.45 -154.325,13.45 -153.875,13.45 -153.425,13.45 -152.975,13.45 -152.525,13.45 -152.075,13.45 -151.625,13.45 -151.175,13.45 -150.725,13.45 -150.275,13.45 -149.825,13.45 -149.375,13.45 -148.925,13.45 -148.475,13.45 -148.025,13.45 -147.575,13.45 -147.125,13.45 -189.2,13.9 -188.75,13.9 -188.3,13.9 -187.85,13.9 -187.4,13.9 -186.95,13.9 -186.5,13.9 -186.05,13.9 -185.6,13.9 -185.15,13.9 -184.7,13.9 -184.25,13.9 -183.8,13.9 -183.35,13.9 -182.9,13.9 -182.45,13.9 -182,13.9 -181.55,13.9 -181.1,13.9 -179.3,13.9 -178.85,13.9 -178.4,13.9 -177.95,13.9 -177.5,13.9 -177.05,13.9 -176.6,13.9 -176.15,13.9 -175.7,13.9 -175.25,13.9 -174.8,13.9 -174.35,13.9 -173.9,13.9 -173.45,13.9 -173,13.9 -172.55,13.9 -172.1,13.9 -171.65,13.9 -171.2,13.9 -170.75,13.9 -170.3,13.9 -169.85,13.9 -169.4,13.9 -168.95,13.9 -168.5,13.9 -168.05,13.9 -167.6,13.9 -167.15,13.9 -166.7,13.9 -166.25,13.9 -165.8,13.9 -165.35,13.9 -164.9,13.9 -164.45,13.9 -164,13.9 -163.55,13.9 -163.1,13.9 -162.65,13.9 -162.2,13.9 -161.75,13.9 -161.3,13.9 -160.85,13.9 -160.4,13.9 -159.95,13.9 -159.5,13.9 -159.05,13.9 -158.6,13.9 -158.15,13.9 -157.7,13.9 -156.35,13.9 -155.9,13.9 -155.45,13.9 -155,13.9 -154.55,13.9 -154.1,13.9 -153.65,13.9 -153.2,13.9 -152.75,13.9 -152.3,13.9 -151.85,13.9 -151.4,13.9 -150.95,13.9 -150.5,13.9 -150.05,13.9 -149.6,13.9 -149.15,13.9 -148.7,13.9 -148.25,13.9 -147.8,13.9 -147.35,13.9 -188.975,14.35 -188.525,14.35 -188.075,14.35 -187.625,14.35 -187.175,14.35 -186.725,14.35 -186.275,14.35 -185.825,14.35 -185.375,14.35 -184.925,14.35 -184.475,14.35 -184.025,14.35 -183.575,14.35 -183.125,14.35 -182.675,14.35 -182.225,14.35 -181.775,14.35 -181.325,14.35 -180.875,14.35 -179.525,14.35 -179.075,14.35 -178.625,14.35 -178.175,14.35 -177.725,14.35 -177.275,14.35 -176.825,14.35 -176.375,14.35 -175.925,14.35 -175.475,14.35 -175.025,14.35 -174.575,14.35 -174.125,14.35 -173.675,14.35 -173.225,14.35 -172.775,14.35 -172.325,14.35 -164.675,14.35 -164.225,14.35 -163.775,14.35 -163.325,14.35 -162.875,14.35 -162.425,14.35 -161.975,14.35 -161.525,14.35 -161.075,14.35 -160.625,14.35 -160.175,14.35 -159.725,14.35 -159.275,14.35 -158.825,14.35 -158.375,14.35 -157.925,14.35 -157.475,14.35 -156.125,14.35 -155.675,14.35 -155.225,14.35 -154.775,14.35 -154.325,14.35 -153.875,14.35 -153.425,14.35 -152.975,14.35 -152.525,14.35 -152.075,14.35 -151.625,14.35 -151.175,14.35 -150.725,14.35 -150.275,14.35 -149.825,14.35 -149.375,14.35 -148.925,14.35 -148.475,14.35 -148.025,14.35 -147.575,14.35 -147.125,14.35